# Altium PCB HIVE_SIGHT_PCB ASCII REV Project_PCB_Rev.Project_SCH_Rev.PcbDoc (part 3 of 3)
Units mil, origin at the board's own origin, x right, y up, seen from the top; angles counter-clockwise.
Board outline 2755.91 x 4245.66 mil, 4 copper layers (Top, GND, PWR, Bottom), stack 60.394 mil thick; 270 components, 195 nets, 1094 pads, 396 vias.
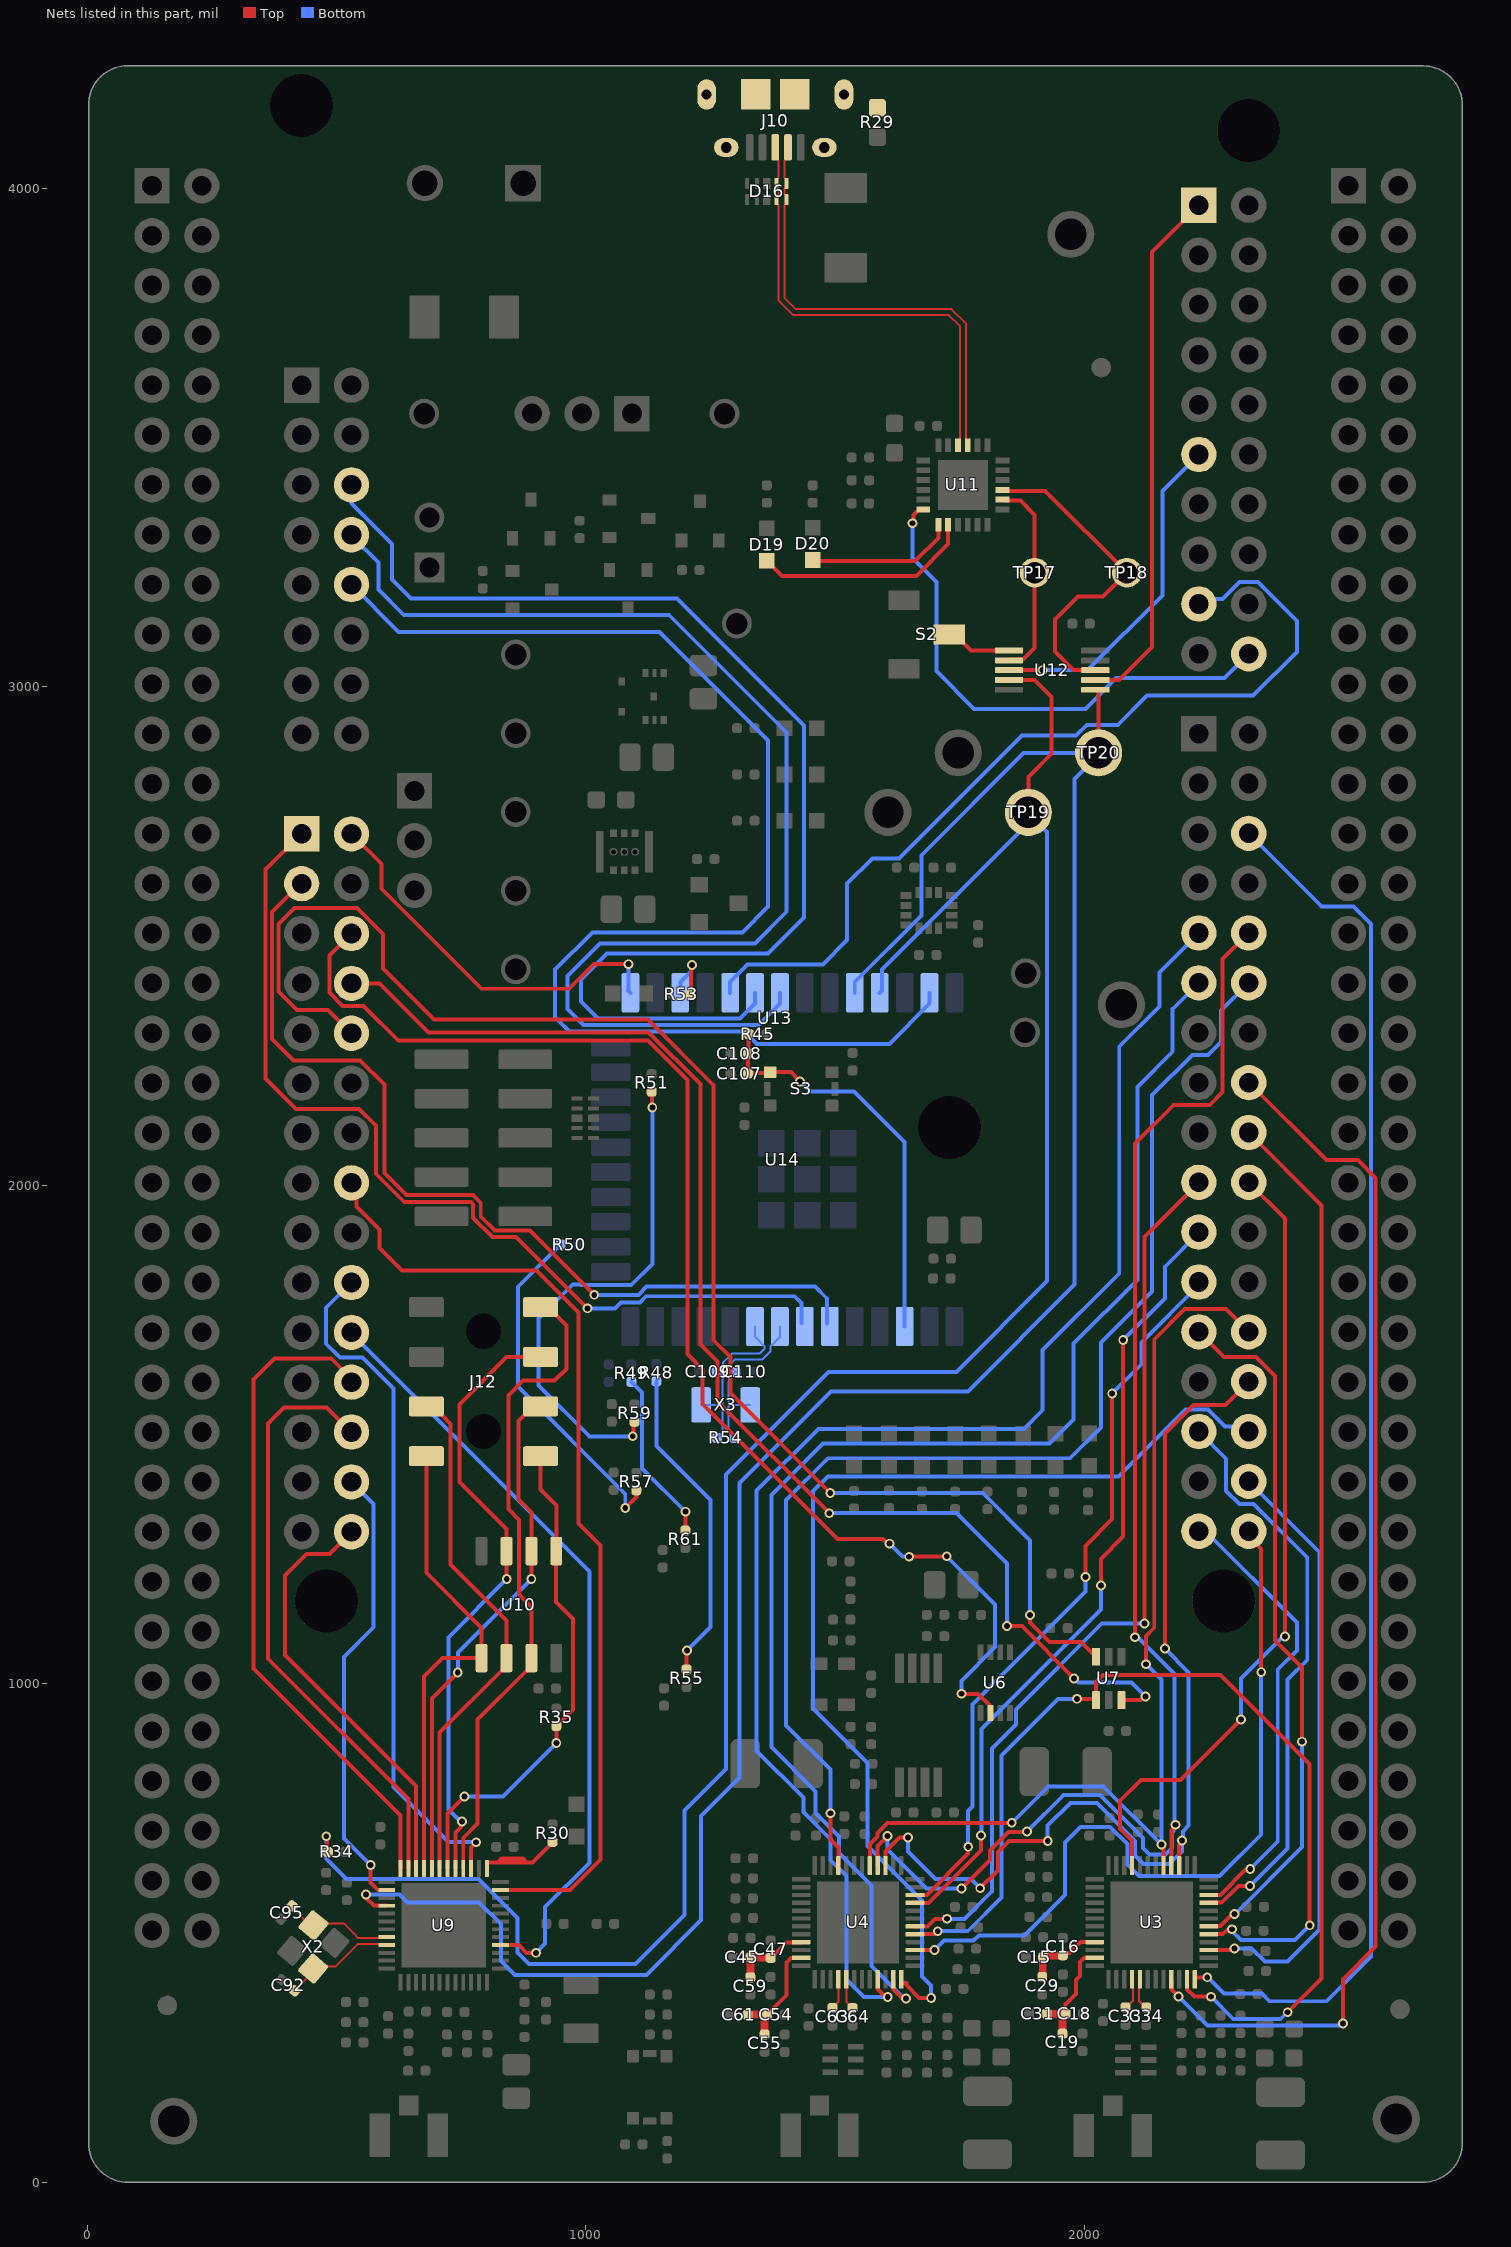
[diagram p5: the nets of this part, all layers, seen from the top]

## Via types
v1: diameter 19.68, hole 11.81, Top to Bottom, tented both sides, 346 vias
v2: diameter 19.68, hole 11.81, Top to Bottom, 18 vias
v3: diameter 19.68, hole 10, Top to Bottom, 16 vias
v4: diameter 15.75, hole 10, Top to Bottom, 12 vias
v5: diameter 20, hole 10, Top to Bottom, 4 vias

## Nets (pads, with @x,y where several pads share a name; then routed paths per layer and width w, separated by ;. In a path a pad name is that pad's centre, name@x,y a point inside that pad or via, vN(x,y) a via of type N, cw(c..) or ccw(c..) an arc to the next point about the centre after c; other vN are vias at no path point) (continued)
NetU3_21: U3.21 U13.CN10-16 | length 2453.8
  Top w8: U3.21@2174.32,407.35 2174.65,407.02 2174.65,387.52 2188.54,373.63 v1(2188.54,373.09) ; U13.CN10-16@2329.63,2206.33 2485.2,2050.76 2548.45,2050.76 2584.2,2015.01 2584.2,473.07 2518.7,407.57 v1(2518.7,318.9)
  Bottom w8: v1(2188.54,373.09) 2188.54,372.61 2246.76,314.39 2514.2,314.39 v1(2518.7,318.9)
NetU3_23: U3.23 U13.CN10-18 | length 2105.9
  Top w8: U3.23@2205.81,407.35 2206.14,407.02 2206.14,387.52 2221.06,372.61 v1(2254.15,372.61) ; U13.CN10-18@2329.63,2106.33 2475.76,1960.2 2475.76,409.51 v1(2407.7,341.45)
  Bottom w8: v1(2254.15,372.61) 2299.36,327.39 2392.87,327.39 2406.93,341.45 v1(2407.7,341.45)
NetU3_24: U3.24 U13.CN10-6 | length 2806.3
  Top w8: U3.24@2221.56,407.35 2221.56,411.16 2221.89,411.49 v1(2246.3,411.49)
  Bottom w8: v1(2246.3,411.49) 2247.96,411.49 2280.47,378.98 2355.89,378.98 2371.38,363.5 2485.34,363.5 2575.07,453.22 2575.07,2524.14 2539.32,2559.89 2476.07,2559.89 U13.CN10-6@2329.63,2706.33
NetU3_29: U3.29 U4.29 U7.4 | length 1826.1
  Top w8: U4.29@1660.02,497.91 1660.35,498.24 1700.01,498.24 v1(1705.71,503.94) ; v1(1984.94,970.16) 2020.79,970.16 U7.4@2023.24,967.71 2023.24,1004.07 2037.05,1017.89 2273.07,1017.89 2451.96,839 v1(2451.96,515.79) ; U3.29@2249.12,497.91 2277.42,497.91 2285.3,505.78 2294.02,505.78 v1(2296.26,508.02)
  Bottom w8: v1(1705.71,503.94) 1705.82,503.94 1765.97,503.94 1833.43,571.4 1833.43,856.93 1946.66,970.16 v1(1984.94,970.16) ; v1(2296.26,508.02) 2296.26,503.94 2314.24,485.96 2422.13,485.96 v1(2451.96,515.79)
NetU3_30: U3.30 U13.CN10-25 | length 1410.7
  Top w8: U13.CN10-25@2229.63,1706.33 2280.23,1655.73 2344.49,1655.73 2382.56,1617.65 2382.56,1087.19 2436.79,1032.96 v1(2436.79,884.17) ; U3.30@2249.12,513.65 2249.45,513.98 2272.84,513.98 2297.24,538.39 v1(2301.18,538.39)
  Bottom w8: v1(2301.18,538.39) 2302.59,538.39 2436.79,672.58 v1(2436.79,884.17)
NetU3_33: U3.33 U13.CN10-29 | length 1163
  Top w8: U3.33@2249.12,560.9 2249.45,561.23 2275.48,561.23 2309.11,594.86 v1(2332.42,594.86)
  Bottom w8: U13.CN10-29@2229.63,1506.33 2284.2,1451.76 2284.2,1387.51 2310.82,1360.89 2339.32,1360.89 2447.01,1253.2 2447.01,1047.84 2407.85,1008.67 2407.85,670.29 v1(2332.42,594.86)
NetU3_34: U3.34 U13.CN10-33 | length 910.5
  Top w8: U3.34@2249.12,576.65 2249.17,576.7 2272.56,576.7 2322.57,626.7 2330.44,626.7 v1(2332.68,628.94)
  Bottom w8: U13.CN10-33@2229.63,1306.33 2242.86,1306.33 2426.19,1122.99 2426.19,1067.5 2387.84,1029.14 2387.84,684.1 v1(2332.68,628.94)
NetU3_39: U3.39 U4.39 U13.CN10-28 | length 2010.8
  Top w8: U4.39@1600.97,635.7 1600.97,663.88 1629.33,692.24 v1(1645.96,692.24) ; v1(1790.9,590.28) 1826.77,626.14 1826.77,663.19 1848.36,684.79 v1(1926.4,684.79) ; v1(2161.38,1071.03) 2161.38,1502.33 2184.43,1525.38 2218.89,1559.84 2283.14,1559.84 U13.CN10-28@2329.63,1606.33 ; U3.39@2190.07,635.7 2190.07,676.27 2195.62,681.82 v1(2195.62,686.02)
  Bottom w8: v1(1645.96,692.24) 1645.96,664 1701.44,608.53 1772.65,608.53 v1(1790.9,590.28) ; v1(1926.4,684.79) 1926.4,715.59 1972.21,761.4 2025.02,761.4 2101.59,684.83 2101.59,655.99 2118.78,638.8 2170.06,638.8 2195.44,664.18 v1@2195.44,684.8 ; v1(2161.38,1071.03) 2209.07,1023.35 2209.07,716.02 2197.35,704.31 2197.35,686.72 v1@2195.44,684.8 ; v1(2195.62,686.02) 2195.44,685.84 v1@2195.44,684.8
NetU3_40: U3.40 U4.40 U13.CN10-10 | length 2952
  Top w8: U4.40@1585.22,635.7 1585.22,674.79 1604.77,694.33 v1(1604.77,694.74) ; v1(1753.56,589.69) 1811.06,647.19 1811.06,665.87 1847.81,702.61 1883.72,702.61 v1(1884.84,703.74) ; v1(2101.69,1093.58) 2101.39,1093.88 2101.39,2083.69 2178.59,2160.89 2250.97,2160.89 2277.45,2187.37 2277.45,2454.14 U13.CN10-10@2329.63,2506.33 ; U3.40@2174.32,635.7 2174.32,706.17 2182.62,714.48 v1(2182.62,717.6)
  Bottom w8: v1(1604.77,694.74) 1604.77,667.85 1682.93,589.69 v1(1753.56,589.69) ; v1(1884.84,703.74) 1958.51,777.41 2031.65,777.41 2117.77,691.28 2117.77,670.49 2130.78,657.48 2162.25,657.48 2175.78,671.01 2175.78,702 2178.61,704.83 2178.61,713.59 v1(2182.62,717.6) ; v1(2101.69,1093.58) 2107.44,1093.58 2180.84,1020.17 v1@2180.84,715.86
NetU3_41: U3.41 U4.41 U13.CN10-26 | length 2038.4
  Top w8: U4.41@1569.47,635.7 1569.47,678.72 1584.65,693.9 1584.65,701.26 1604.84,721.46 v1(1854.33,721.46) ; v1(2123.53,1039.59) 2123.53,1096.18 2140.08,1112.73 2140.08,1690.92 2201.14,1751.98 2283.98,1751.98 U13.CN10-26@2329.63,1706.33 ; v1(2154.48,677.77) 2154.48,675.71 2158.57,671.61 U3.41@2158.57,635.7
  Bottom w8: v1(1854.33,721.46) 1855.46,722.58 1926.68,793.8 2038.44,793.8 v1(2154.48,677.77) 2154.48,1008.64 v1(2123.53,1039.59)
NetU3_45: U3.45 U13.CN10-20 | length 1596.4
  Top w8: U3.45@2095.58,635.7 2095.58,685.56 2071.86,709.27 2071.86,765.82 2113.15,807.1 2192.66,807.1 v1(2314.26,928.71) ; U13.CN10-20@2329.63,2006.33 2402.4,1933.56 v1(2402.4,1095.41)
  Bottom w8: v1(2314.26,928.71) 2314.26,1011.25 2398.42,1095.41 v1(2402.4,1095.41)
NetU4_21: U4.21 U13.CN10-9 | length 2926.4
  Top w8: U4.21@1585.22,407.35 1585.55,407.02 1585.55,387.52 1601.01,372.07 v1(1605.39,372.07)
  Bottom w8: v1(1605.39,372.07) 1557.52,372.07 1522.42,407.17 1522.42,614.62 1490.16,646.88 1490.16,688.98 1436.35,742.78 1436.35,772.05 1342.52,865.88 1342.52,1387.8 1466.54,1511.81 1878.94,1511.81 1916.2,1549.07 1916.2,1670.14 2069.88,1823.82 2069.88,2278.28 2150.18,2358.58 2150.18,2426.87 U13.CN10-9@2229.63,2506.33
NetU4_23: U4.23 U13.CN10-11 | length 2825.1
  Top w8: U4.23@1616.72,407.35 1617.05,407.02 1617.05,387.52 1635.45,369.11 v1(1641.81,369.11)
  Bottom w8: v1(1641.81,369.11) 1638.06,369.11 1572.89,434.28 1572.89,595.42 1507.87,660.43 1507.87,693.9 1460.44,741.33 1460.44,784.71 1372.05,873.1 1372.05,1378.94 1475.39,1482.28 1930.15,1482.28 1978.35,1530.48 1978.35,1682.76 2106.3,1810.71 2106.3,2197.63 2177.17,2268.5 2177.17,2353.86 U13.CN10-11@2229.63,2406.33
NetU4_24: U4.24 U13.CN10-30 | length 2157.4
  Top w8: U4.24@1632.46,407.35 1632.46,400.04 1642.66,400.04 1642.66,395.76 1668.38,370.04 v1(1692.62,370.04)
  Bottom w8: v1(1692.62,370.04) 1692.62,395.37 1674.44,413.56 1674.44,565.36 1564.8,675 1564.8,841.4 1455.88,950.32 1455.88,1386.99 1485.24,1416.34 2067.91,1416.34 2202.33,1550.76 2248.04,1550.76 2282.2,1516.6 2319.36,1516.6 U13.CN10-30@2329.63,1506.33
NetU4_30: U4.30 U13.CN10-19 | length 1827.8
  Top w8: U4.30@1660.02,513.65 1684.91,513.65 1700.19,528.93 v1(1724.35,528.93) ; v1(2120.24,1120.95) 2120.24,1896.93 U13.CN10-19@2229.63,2006.33
  Bottom w8: v1(1724.35,528.93) 1759.12,528.93 1814.33,584.13 1814.33,870.1 1862.52,918.3 1862.52,948.68 2034.8,1120.95 v1(2120.24,1120.95)
NetU4_33: U4.33 U13.CN10-21 | length 1597.5
  Top w8: U4.33@1660.02,560.9 1687.56,560.9 1792.32,665.66 v1(1792.32,695.87) ; v1(2033.24,1197.5) 2033.24,1250.93 2077.76,1295.45 v1(2077.76,1689.96)
  Bottom w8: v1(1792.32,695.87) 1793.58,697.13 1793.58,909.84 2033.24,1149.49 v1(2033.24,1197.5) ; v1(2077.76,1689.96) 2161.38,1773.59 2161.38,1836.92 2229.63,1905.17 U13.CN10-21@2229.63,1906.33
NetU4_34: U4.34 U13.CN10-23 | length 1479.6
  Top w8: U4.34@1660.02,576.65 1660.35,576.98 1683.91,576.98 1766.9,659.97 v1(1766.9,673.27) ; v1(2002.33,1214.82) 2002.33,1277.08 2055.7,1330.45 v1(2055.7,1582.85)
  Bottom w8: v1(1766.9,673.27) 1766.73,673.43 1766.73,745.08 1775.59,753.94 1775.59,958.92 2002.33,1185.66 v1(2002.33,1214.82) ; v1(2055.7,1582.85) 2114.17,1641.32 2114.17,1685.36 2229.63,1800.82 U13.CN10-23@2229.63,1806.33
NetU4_45: U4.45 U13.CN10-12 | length 2502
  Top w8: v1(1490.59,740.71) 1490.41,740.53 1490.41,687.86 1506.48,671.79 U4.45@1506.48,635.7
  Bottom w8: v1(1490.59,740.71) 1490.41,740.89 1490.41,827.99 1401.57,916.82 1401.57,1368.99 1485.34,1452.76 1971.49,1452.76 2033.24,1514.5 2033.24,1684.65 2135.83,1787.24 2135.83,2181.36 2216.36,2261.89 2248.04,2261.89 2274.07,2287.92 2274.07,2350.76 U13.CN10-12@2329.63,2406.33
NetU6_2: U6.2 U13.CN9-6 | length 2633.4
  Top w8: U13.CN9-6@529.63,2505.33 485.2,2460.89 485.2,2386.92 512.09,2360.03 554.13,2360.03 623.54,2290.63 1124.14,2290.63 1203.41,2211.36 1203.41,1662.04 1234.25,1631.2 1234.25,1561.47 1505.02,1290.7 1596.25,1290.7 1605.6,1281.35 v1(1608.77,1281.35) ; v1(1648.45,1255.26) 1722.85,1255.26 v1(1723.77,1256.18) ; v1(1753.41,980.27) 1786.74,980.27 1809.46,957.54 1809.46,943.54 U6.2@1811.37,941.63
  Bottom w8: v1(1608.77,1281.35) 1634.86,1255.26 v1(1648.45,1255.26) ; v1(1723.77,1256.18) 1820.85,1159.1 1820.85,1073.82 1753.41,1006.38 v1(1753.41,980.27)
NetU7_3: U7.3 U13.CN9-10 | length 3072
  Top w8: U13.CN9-10@529.63,2305.33 482.82,2352.14 419.98,2352.14 383.22,2388.9 383.22,2524.54 415.53,2556.85 540.95,2556.85 593.03,2504.77 593.03,2435.05 695,2333.09 1124.14,2333.09 1255.46,2201.77 1255.46,1689.99 1289.81,1655.64 1289.81,1583.22 v1(1490.16,1382.87) ; v1(1890.95,1138.13) 1890.95,1123.15 1929.49,1084.6 1992.96,1084.6 U7.3@2023.24,1054.33
  Bottom w8: v1(1490.16,1382.87) 1796.04,1382.87 1890.95,1287.97 v1(1890.95,1138.13)
NetU7_6: U7.6 U13.CN9-8 | length 2662.8
  Top w8: U13.CN9-8@529.63,2405.33 586.24,2405.33 684.3,2307.27 1125.89,2307.27 1229.44,2203.72 1229.44,1680.73 1263.75,1646.41 1263.75,1566.95 v1(1488.19,1342.52) ; v1(1844.49,1116.14) 1874.39,1116.14 v1(1979.35,1011.18) ; U7.6@2074.42,967.71 2112.2,967.71 2119.36,974.87 v1(2122.52,974.87)
  Bottom w8: v1(1488.19,1342.52) 1743.4,1342.52 1844.49,1241.43 v1(1844.49,1116.14) ; v1(1979.35,1011.18) 1987.68,1002.85 2094.54,1002.85 v1(2122.52,974.87)
NetU9_16: U9.16 U13.CN9-22 | length 1564.2
  Top w8: U9.16@828.74,476.38 865.49,476.38 881.24,460.63 v1(899.61,460.63)
  Bottom w8: U13.CN9-22@529.63,1705.33 529.63,1702.82 1006.93,1225.52 1006.93,640.86 918.26,552.18 918.26,479.28 v1(899.61,460.63)
NetU9_23: U9.23 U13.CN9-16 | length 1949.1
  Top w8: U13.CN9-16@529.63,2005.33 539.9,1995.06 539.9,1957.89 586.3,1911.5 586.3,1874.32 630.93,1829.69 900.85,1829.69 985.25,1745.28 985.25,1321.86 1029.68,1277.43 1029.68,647.79 968.5,586.61 U9.23@828.74,586.61
NetU9_27: U9.27 U13.CN9-20 | length 1384.8
  Top w8: U9.27@769.68,629.92 769.68,672.02 779.84,682.18 v1(779.84,682.55)
  Bottom w8: U13.CN9-20@529.63,1805.33 478.13,1753.82 478.13,1683.18 506.57,1654.74 552.25,1654.74 614.41,1592.58 614.41,793.07 724.38,683.1 779.29,683.1 v1(779.84,682.55)
NetU11_12: U11.12 U13.CN7-20 | length 1061.7
  Top w8: v1(1654.93,3328.36) 1657.17,3330.6 1657.17,3344.67 1668.56,3356.06 U11.12@1676.43,3356.06
  Bottom w8: v1(1654.93,3328.36) 1654.93,3258.84 1702.86,3210.92 1702.86,3031.76 1778.77,2955.84 2002.02,2955.84 2063.8,3017.62 2280.93,3017.62 U13.CN7-20@2329.63,3066.33
NetU12_3: U12.3 U13.CN7-11 | length 682.9
  Top w8: U12.3@1848.7,3033.65 v1(1915.63,3033.65)
  Bottom w8: v1(1915.63,3033.65) 2006.53,3033.65 2156.7,3183.83 2156.7,3393.39 U13.CN7-11@2229.63,3466.33
NetU12_7: U12.7 U13.CN7-1 | length 1066.2
  Top w8: U12.7@2021.93,3013.97 2069.41,3013.97 2136,3080.56 2136,3872.69 U13.CN7-1@2229.63,3966.33
NetU13_CN7-17: U13.CN7-17 U14.29 | length 1809.1
  Bottom w8: U14.29@1289.28,2386.49 1289.28,2408.14 1324.52,2443.38 1475.31,2443.38 1523.93,2492.01 1523.93,2605.64 1574.56,2656.27 1628.34,2656.27 1874.39,2902.32 1983.2,2902.32 2005.02,2924.14 2067.16,2924.14 2125.62,2982.61 2338.58,2982.61 2426.21,3070.23 2426.21,3132.59 2348.04,3210.76 2311.23,3210.76 2277.07,3176.6 2239.9,3176.6 U13.CN7-17@2229.63,3166.33
NetU13_CN8-6: U13.CN8-6 U14.30 | length 2497
  Bottom w8: U13.CN8-6@529.63,3405.33 529.63,3368.16 611.1,3286.7 611.1,3215.36 649.29,3177.17 1182.58,3177.17 1437.32,2922.42 1437.32,2537.43 1365.45,2465.55 1041.97,2465.55 989.72,2413.3 989.72,2369.41 1024.15,2334.98 1309.42,2334.98 1339.28,2364.83 U14.30@1339.28,2386.49
NetU13_CN8-8: U13.CN8-8 U14.31 | length 2467
  Bottom w8: U13.CN8-8@529.63,3305.33 529.63,3303.2 583.49,3249.34 583.49,3195.31 634.96,3143.84 1167.15,3143.84 1402.85,2908.14 1402.85,2549.16 1338.92,2485.24 1028.54,2485.24 963.5,2420.19 963.5,2353.96 995.48,2321.98 1346.42,2321.98 1389.28,2364.83 U14.31@1389.28,2386.49
NetU13_CN8-10: U13.CN8-10 U14.37 | length 2702.4
  Bottom w8: U13.CN8-10@529.63,3205.33 624.38,3110.58 1147.76,3110.58 1365.61,2892.72 1365.61,2559.85 1313.64,2507.87 1012.81,2507.87 938.11,2433.18 938.11,2337.39 966.89,2308.61 1318.97,2308.61 1343.47,2284.11 1608.56,2284.11 1689.28,2364.83 U14.37@1689.28,2386.49
NetU13_CN9-1: U13.CN9-1 U14.7 | length 1915
  Top w8: U13.CN9-1@429.63,2705.33 358.67,2634.36 357.22,2634.36 357.22,2214.9 418.7,2153.42 544.93,2153.42 578.43,2119.92 578.43,2023.91 635.6,1966.73 769,1966.73 773.69,1962.04 773.69,1935.03 812.36,1896.36 860.21,1896.36 v1(1003.03,1753.54)
  Bottom w8: v1(1003.03,1753.54) 1057.88,1753.54 1069.91,1765.56 1108.55,1765.56 1120.71,1777.73 1418.47,1777.73 1432.32,1763.88 U14.7@1432.32,1724.15
NetU13_CN9-2: U13.CN9-2 U14.25 | length 794.6
  Top w8: U13.CN9-2@529.63,2705.33 589.63,2645.33 589.63,2595.17 790.21,2394.59 966.52,2394.59 1015.83,2443.9 v1(1085.63,2443.9)
  Bottom w8: v1(1085.63,2443.9) 1085.63,2392.94 1084.22,2391.54 U14.25@1089.28,2386.49
NetU13_CN9-3: U13.CN9-3 U14.6 | length 1849.8
  Top w8: U13.CN9-3@429.63,2605.33 426.96,2605.33 370.22,2548.59 370.22,2293.42 413.1,2250.54 547.26,2250.54 595.68,2202.12 595.68,2025.04 640.01,1980.71 773.4,1980.71 789.04,1965.08 789.04,1938.07 817.74,1909.36 888.02,1909.36 926.77,1870.61 v1(1016.78,1780.6)
  Bottom w8: v1(1016.78,1780.6) 1105.2,1780.6 1121.63,1797.02 1459.84,1797.02 1483.13,1773.73 U14.6@1483.13,1723.34
RFA_N: C34.2 U3.17 | length 64
  Top w4: U3.17@2111.33,407.35 2109.45,405.48 2109.45,363.97 2122.26,351.16 C34.2@2124.02,351.16
RFA_P: C33.2 U3.16 | length 62.2
  Top w4: C33.2@2084.48,351.28 2097.45,364.25 2097.45,405.48 U3.16@2095.58,407.35
RFB_N: C64.2 U4.17 | length 62.3
  Top w4: U4.17@1522.23,407.35 1522.61,406.98 1522.61,362.61 C64.2@1534.88,350.33
RFB_P: C63.2 U4.16 | length 62.2
  Top w4: C63.2@1494.58,350.05 1506.48,361.96 U4.16@1506.48,407.35
RST_A#: U3.27 U13.CN10-32 | length 1256.6
  Top w8: U3.27@2249.12,466.41 2249.33,466.62 2298.32,466.62 v1(2301.18,469.49) ; U13.CN10-32@2329.63,1406.33 2333.86,1402.1 U13.CN10-32@2355.93,1424.16
  Bottom w8: v1(2301.18,469.49) 2335.17,469.49 2361.8,442.87 2407.1,442.87 2471.8,507.57 2471.8,1264.16 U13.CN10-32@2329.63,1406.33
RST_B#: U4.27 U13.CN10-34 | length 1577.1
  Top w8: U4.27@1660.02,466.41 1660.33,466.71 1698.75,466.71 v1(1699.32,466.14) ; U13.CN10-34@2329.63,1306.33 2329.63,1296.03 2354.71,1270.95 2354.71,1196.87 v1(2354.71,1023.64)
  Bottom w8: v1(1699.32,466.14) 1718.41,485.24 1777.93,485.24 1788.2,495.51 1879.94,495.51 1960.98,576.55 1960.98,681.62 1992.59,713.23 2051.53,713.23 2086.08,678.69 2086.08,637.55 2109.05,614.58 2271.1,614.58 2354.71,698.19 v1(2354.71,1023.64)
RXT_USB: D20.K U11.13 | length 287.7
  Top w8: D20.K@1455,3252.54 1660.43,3252.54 1706.94,3299.06 U11.13@1706.94,3315.55
SHIELD_USB: J10.6 J10.7 J10.8 J10.9 J10.10 J10.11 R29.2
SPI_CLK: J12.7 U9.31 U10.6 | length 1058.6
  Top w8: J12.7@679.85,1556.87 694.8,1556.87 710.88,1540.79 710.88,1539.12 728.35,1521.65 728.35,1239.64 840.69,1127.29 U10.6@840.69,1052.01 840.69,1035.28 832.88,1027.47 831.6,1027.47 706.69,902.56 U9.31@706.69,629.92
SPI_CS0: J12.1 R35.1 U9.30 U10.1 | length 1003.9
  Top w8: U9.30@722.44,629.92 722.44,740.01 v1(756.73,774.31) ; J12.1@908.98,1456.87 908.98,1389.84 940.69,1358.13 U10.1@940.69,1266.58 940.35,1266.23 940.35,1164.23 974.41,1130.17 974.41,949.09 R35.1@940.67,915.35 v1(940.67,881.46)
  Top w16: R35.1@940.67,915.35 R35.1@940.67,915.56
  Bottom w8: v1(756.73,774.31) 833.51,774.31 v1(940.67,881.46)
SPI_D: J12.8 U9.33 U10.5 | length 973.2
  Top w8: U9.33@675.2,629.92 675.2,1014.83 712.38,1052.01 U10.5@790.69,1052.01 790.69,1112.2 679.85,1223.05 J12.8@679.85,1456.87 J12.8@675.2,1452.22
SPI_HD: J12.4 U9.28 U10.7 | length 1318
  Top w8: U9.28@753.94,629.92 753.94,691.33 782.67,720.07 782.67,928.7 881.44,1027.47 882.88,1027.47 890.69,1035.28 U10.7@890.69,1052.01 890.69,1154.74 866.14,1179.3 866.14,1329.32 844.49,1350.98 844.49,1578.74 874.02,1608.27 937.01,1608.27 960.75,1632.01 960.75,1719.24 940.06,1739.93 923.97,1756.02 J12.4@909.02,1756.02
SPI_Q: J12.2 U9.32 U10.2 | length 1047.9
  Top w8: U9.32@690.94,629.92 690.94,970.88 v1(742.96,1022.9) ; v1(890.45,1210.26) 890.45,1261.43 891.32,1262.31 891.32,1343.77 864.94,1370.15 864.94,1527.75 894.06,1556.87 J12.2@909.02,1556.87
  Bottom w8: v1(742.96,1022.9) 742.96,1062.78 v1(890.45,1210.26)
SPI_WP: J12.3 U9.29 U10.3 | length 1238.4
  Top w8: U9.29@738.19,629.92 738.19,702.23 749.32,713.36 749.32,722.28 v1(751.15,724.11) ; v1(841.13,1210.23) 840.91,1210.45 840.91,1266.36 U10.3@840.69,1266.58 840.69,1310.88 746.06,1405.51 746.06,1561.04 841.04,1656.02 J12.3@909.02,1656.02
  Bottom w8: 724.12,747.48 733.95,737.66 734.44,737.66 747.99,724.11 v1(751.15,724.11) ; 724.12,749.02 724.12,1093.23 v1(841.13,1210.23)
TXT_USB: D19.K U11.14 | length 431.6
  Top w8: D19.K@1362.91,3253.15 1393.06,3223 1663.22,3223 1726.63,3286.41 U11.14@1726.63,3315.55
UART_SEL: S2.2 U12.1 | length 133.5